# Altium PCB Copy+of+WX0.011.780PCB-4.2.pcbdoc (part 2 of 2)
Units mil, origin at the board's own origin, x right, y up, seen from the top; angles counter-clockwise.
Board outline 3138.9 x 10799.03 mil, 2 copper layers (Top Layer, Bottom Layer); 109 components, 87 nets, 467 pads, 386 vias.
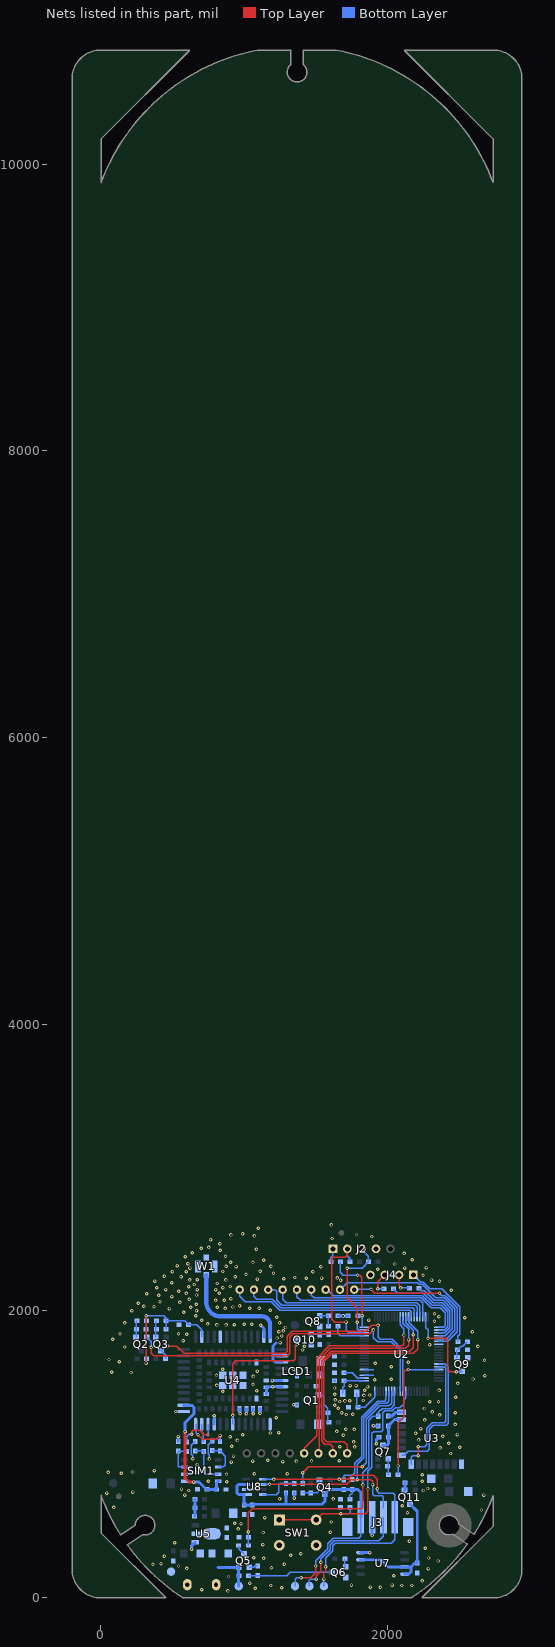
[diagram p2: the nets of this part, all layers, seen from the top]

## Via types
v1: diameter 24, hole 12, Top Layer to Bottom Layer, tented both sides, 386 vias

## Nets (pads, with @x,y where several pads share a name; then routed paths per layer and width w, separated by ;. In a path a pad name is that pad's centre, name@x,y a point inside that pad or via, vN(x,y) a via of type N, cw(c..) or ccw(c..) an arc to the next point about the centre after c; other vN are vias at no path point) (continued)
GND: C1.2 C2.2 C3.2 C4.2 C5.1 C6.2 C9.2 C10.1 C11.1 C12.2 C13.2 C14.1 C15.2 C16.2 C17.2 C18.2 C19.2 C20.1 C21.2 C22.1 C23.1 C24.2 C25.1 C26.2 C27.2 C28.2 C29.2 C30.1 C31.2 C33.2 C34.1 C43.2 C44.2 C45.2 GND.1 J1.1 J2.4 J3.2 J3.5 J3.6 J4.4 Q6.2 Q8.2 Q9.2 Q10.2 R26.1 R28.2 R31.1 R35.1 R41.2 R80.1 SIM1.1 SW1.2 U2.63 U2.65 U3.1 U3.15 U4.1 U4.10 U4.27 U4.34 U4.36 U4.37 U4.40 U4.41 U4.45 U4.46 U4.47 U4.48 U4.70 U4.71 U4.72 U4.73 U4.88 U4.89 U4.90 U4.91 U4.92 U4.93 U4.94 U4.95 U5.1 U7.4 U8.2 W1.2 | length 2040.1
  Bottom Layer w10: v1(644,968) 644,988.77 631.96,1000.81 631.96,1062.78 C10.1@659.46,1090.28 ; v1(759,967) 759,993.35 749.54,1002.81 749.54,1061.7 748,1063.24 C20.1@777.04,1092.28 ; U2.63@1839.16,1551.36 1903.64,1551.36 ; U2.65@1839.16,1590.73 1906.27,1590.73
  Bottom Layer w20: v1(541,1123) C11.1@541.04,1090.28 C11.1@541.04,1090.28 ; v1(635,338) 635,361.12 U5.1@659.83,385.94 ; C6.2@656,568 657.49,569.49 C2.2@657.49,686 ; v1(792,1269) 792.21,1268.79 U4.10@792.21,1209.31 ; U4.48@969.38,1317.58 972,1314.96 v1(972,1283) ; U8.2@1012.89,754 1061,754 v1(1071,764) ; U4.47@1016.62,1317.58 1016.62,1283.38 v1(1017,1283) ; U4.46@1063.87,1317.58 1063.87,1282.13 v1(1064,1282) ; v1(1111.11,1285.89) U4.45@1111.11,1317.58 ; v1(1116,1900) 1138.67,1877.33 U4.34@1138.67,1819.55 ; U4.72@1156.39,1419.94 U4.71@1156.39,1467.19 1160.32,1471.13 U4.41@1264.65,1471.13 ; v1(1197,1514) 1197.43,1514.43 U4.40@1264.65,1514.43 ; 1224,1777 1202.38,1755.38 1202.38,1693.46 ; U4.37@1264.65,1644.35 1215.65,1644.35 1202.38,1657.62 1202.38,1693.46 ; U4.36@1264.65,1687.66 1208.18,1687.66 1202.38,1693.46 ; v1(1346,1345) C33.2@1370,1345 ; v1(1346,1594) 1370,1570 C17.2@1370,1547 ; v1(1351,694) R28.2@1351,729 ; C18.2@1525.8,1552 C18.2@1535.39,1561.59 ; C14.1@1631.51,1512 C14.1@1632,1512.49 ; R31.1@1655,1965 C23.1@1727,1965 ; U7.4@1814,314 v1(1877,314) ; v1(1894.12,433.12) J3.2@1894.12,560 ; v1(1903,1198) C34.1@1937,1198 ; v1(1923,1074) 1923,1100.51 C27.2@1941.49,1119 ; C28.2@2007,1265.51 2031.51,1265.51 2058.6,1292.6 U3.15@2100.07,1292.6
  other v1: 888,46 706,54 1079,64 1263,68 1952,72 1881,73 1187,84 2100,84 2170,84 1750,87 2033,87 1040,101 2243,116 892,147 2044,152 2287,202 600,203 1192,207 543,220 365,233 1282,233 421,235 2354,255 1137,273 2288,276 1068,278 445,289 1327,296 1397,305 2265,344 1132,368 517,383 2154,392 1366,448 1133,454 1603,455 960,479 979,514 935,519 1608,527 1145,558 2141,591 2657,611 92,629 2105,640 2214,680 1622,688 1248,690 587,715 2674,715 42,729 225,736 615,747 2252,747 2328,755 564,757 2281,761 879,807 750,812 2244,812 2243,857 878,859 1073,863 1303,864 144,867 52,873 673,874 225,876 373,886 675,928 912,945 1271,949 1366,950 1061,952 1471,953 1664,955 1165,957 927,987 2443,1005 2368,1044 2505,1048 1773,1051 1668,1052 915,1055 2429,1077 1765,1086 954,1096 2218,1100 903,1121 2386,1124 1694,1133 992,1135 2489,1137 2197,1146 1183,1148 1242,1150 1647,1159 1770,1173 1711,1175 2234,1179 2473,1208 2262,1239 1225,1255 2365,1274 1714,1277 1760,1279 1681,1289 2474,1290 2313,1295 524,1298 2259,1319 1658,1321 1634,1341 2296,1367 2357,1367 1669,1368 1704,1372 1737,1373 1832,1375 1637,1379 2478,1397 1837,1410 1877,1413 1634,1419 852,1439 1089,1443 2361,1445 1842,1446 1632,1462 1200,1471.13 1862,1472 1741,1479 1782,1479 811,1480 1063,1488 2492,1494 1912,1520 2027,1524 2598,1525 1066,1543 2681,1547 808,1550 212,1570 78,1572 1092,1580 852,1592 2027,1611 1915,1635 2146,1642 129,1645 2678,1656 58,1661 1410,1727 168,1748 1420,1754 2632,1754 2295,1763 1252,1779 575,1791 85,1803 1231,1811 1264,1825 600,1838 135,1841 543,1841 1244,1855 2594,1855 1273,1860 1289,1884 811,1902 875,1902 933,1903 1055,1906 1002,1907 747,1909 169,1916 1248,1917 2329,1927 705,1934 1871,1936 2540,1953 1229,1956 2360,1959 1691,1965 664,1967 2329,1980 580,1991 218,2001 669,2001 1183,2004 480,2016 869,2017 1040,2019 1105,2019 628,2026 813,2026 923,2027 372,2029 302,2033 969,2036 667,2046 262,2053 552,2059 414,2064 803,2073 863,2075 619,2080 909,2084 496,2100 406,2110 669,2111 321,2119 597,2122 827,2123 545,2138 2447,2144 455,2149 674,2149 802,2149 392,2162 853,2162 615,2168 904,2170 653,2184 813,2191 496,2196 2364,2206 377,2208 1674,2213 2309,2215 622,2216 874,2216 674,2217 1093,2222 1277,2224 1434,2227 1541,2229 1651,2230 1354,2233 561,2238 938,2238 445,2241 2249,2248 1014,2256 1206,2263 597,2273 1481,2273 501,2274 851,2275 1112,2276 1934,2291 623,2299 2121,2299 2273,2302 1537,2308 945,2309 1188,2311 875,2312 535,2316 2053,2327 609,2329 1063,2338 908,2340 1137,2354 2174,2356 590,2378 871,2382 2118,2401 639,2406 834,2423 1087,2430 701,2438 755,2443 832,2468 767,2497 1615,2505 1892,2519 1073,2523 909,2530 1785,2533 990,2539 1099,2576 1610,2600
GPRS_RST: R30.1 U2.77 | length 240.6
  Bottom Layer w10: R30.1@1655,1894 1655,1845 1673.05,1826.95 U2.77@1839.16,1826.95
LED_CON: U2.27
LVDIN: C34.2 R24.1 R26.2 U2.53 | length 2004.7
  Top Layer w10: v1(1030,460) 1030,592 1056,618 1823,618 1830,625 v1(1830,786)
  Bottom Layer w10: R24.1@1030,363 v1(1030,460) ; v1(1830,786) 1830,871.75 1871,912.75 1871,1236 1900,1265 C34.2@1937,1265 1937,1293 1963,1319 2023,1319 2049,1345 2049,1438.37 U2.53@2049.79,1439.16
MCU_RXD2: Q3.3 R8.1 U2.50 | length 2341.3
  Top Layer w10: v1(468,1755) 532,1755 582,1705 1288,1705 1301,1718 1301,1823 1336,1858 1848.75,1858 1889.75,1899 1934.79,1899 v1(1935.41,1898.38)
  Bottom Layer w10: R8.1@453,1666 453,1689.76 Q3.3@421,1721.76 454.24,1755 v1(468,1755) ; v1(1935.41,1898.38) 1935.41,1814.59 1949.41,1800.59 2035.15,1800.59 2108.84,1726.9 U2.50@2108.84,1439.16
MCU_TXD2: Q2.2 U2.51 | length 2386.7
  Top Layer w10: v1(352,1745) 352,1703 369,1686 1303,1686 1321,1704 1321,1817 1345,1841 1877,1841 v1(1903,1867)
  Bottom Layer w10: Q2.2@321.4,1816.24 352,1785.65 v1(352,1745) ; v1(1903,1867) 1903,1812 1932,1783 2028.7,1783 2089.16,1722.55 U2.51@2089.16,1439.16
NetC1_1: C1.1 D1.2 U5.2
NetC7_2: C7.2 Q2.1 R5.2 | length 115.9
  Bottom Layer w10: Q2.1@246.6,1816.24 246.6,1923.8 C7.2@252.49,1929.69
NetC8_2: C8.2 Q3.1 R6.2 | length 116.2
  Bottom Layer w10: Q3.1@383.6,1816.24 383.6,1924.11 C8.2@389.49,1930
NetC24_1: C24.1 U2.62 | length 157.1
  Bottom Layer w10: C24.1@1697.49,1569 1757,1569 1794.32,1531.68 U2.62@1839.16,1531.68
NetC27_1: C27.1 C28.1 Q7.3 U3.14 | length 281
  Bottom Layer w20: Q7.3@1970,1063 2000,1063 2008.49,1071.49 C27.1@2008.49,1119 2008.49,1197.02 C28.1@2007,1198.51 2051.09,1242.6 U3.14@2100.07,1242.6
NetC29_1: C29.1 Q11.3 U7.3 U7.7 U7.8 | length 945.8
  Bottom Layer w20: U7.3@1814,264 1955,264 2005,214 U7.7@2121.09,214 2165,214 ; U7.8@2121.09,164 2150,164 2165,179 2165,214 ; Q11.3@2158,652.76 2209,601.76 C29.1@2209,239.49 2190.49,239.49 2165,214
NetJ2_1: J2.1 R4.2 | length 101.2
  Bottom Layer w10: R4.2@1606,2344 1606,2370 1620,2384 1620,2438 J2.1@1621,2439
NetJ4_1: J4.1 R32.1 | length 664.1
  Bottom Layer w10: J4.1@2182,2251 2231.5,2201.5 2250.51,2201.5 2297.01,2155 2380.25,2155 2505,2030.25 2505,1837 2492,1824 R32.1@2492,1786
NetJ4_2: J4.2 R33.1 | length 156
  Top Layer w10: J4.2@2082,2251 2082,2172 v1(2094,2160)
  Bottom Layer w10: v1(2094,2160) R33.1@2154,2160
NetJ4_3: J4.3 R34.1 | length 157.9
  Top Layer w10: v1(1934,2155) 1934,2203 J4.3@1982,2251
  Bottom Layer w10: v1(1934,2155) R34.1@1976,2155
NetQ1_1: Q1.1 R3.1 R9.2 | length 245.5
  Bottom Layer w10: Q1.1@1520.24,1415.4 1545.6,1415.4 1555,1406 1555,1350 1580,1325 1586,1319 R3.1@1586,1288 ; R3.1@1580,1294 R3.1@1586,1288 ; R9.2@1592,1223 1586,1229 R3.1@1586,1288
NetQ4_1: Q4.1 R17.1 R29.2 | length 194.1
  Bottom Layer w10: R29.2@1409,730 1510,730 1526.6,746.6 Q4.1@1526.6,816.24
NetQ5_1: Q5.1 R25.2 | length 61.8
  Bottom Layer w10: Q5.1@1037.4,210.76 1067.76,210.76 1078,221 R25.2@1095,221
NetQ5_3: Q5.3 R24.2 | length 73.1
  Bottom Layer w10: R24.2@963,363 963,342.24 Q5.3@1000,305.24
NetQ6_1: Q6.1 R27.2 | length 59.2
  Bottom Layer w10: R27.2@1703.35,271 1703.35,220.65 Q6.1@1709.59,214.4
NetQ6_3: Q6.3 R23.1 R25.1 | length 593.5
  Bottom Layer w10: R23.1@1032,152 1297,152 1322,177 Q6.3@1615.1,177
NetQ7_1: Q7.1 R16.1 R22.2 | length 111.2
  Bottom Layer w10: Q7.1@2007.4,968.51 2007.4,859.6 R22.2@2009,858
NetQ8_1: Q8.1 R30.2 R31.2 | length 130.3
  Bottom Layer w10: Q8.1@1529.24,1966.4 1586.6,1966.4 R31.2@1588,1965 R30.2@1588,1894
NetQ9_1: Q9.1 R32.2 R35.2 | length 149.2
  Bottom Layer w10: Q9.1@2486,1673.49 2486,1724 R35.2@2491,1729 2516,1754 2527,1754 R32.2@2559,1786
NetQ10_1: Q10.1 R40.2 R41.1 | length 121.3
  Bottom Layer w10: Q10.1@1470,1837.8 1470.8,1837 R40.2@1591,1837
NetQ11_1: Q11.1 R1.2 | length 56.2
  Bottom Layer w20: Q11.1@2120.6,747.24 2124,750.65 R1.2@2124,802
NetR18_1: R18.1 R28.1 U8.8 | length 281.9
  Bottom Layer w10: U8.8@1131,718.57 1226.57,718.57 1243,735 1243,786 1253,796 R28.1@1351,796
NetU4_35: U4.35 W1.1 | length 806.7
  Bottom Layer w30: W1.1@736.93,2248.98 736.93,2062 ccw(c836.93,2062) 836.93,1962 1124,1962 cw(c1124,1904.02) 1181.98,1904.02 U4.35@1181.98,1819.55
PWRKEY: Q10.3 U4.7 | length 1009.7
  Top Layer w10: v1(922.13,1270.87) 922.13,1632.13 942,1652 1348.04,1652 1359,1662.96 1359,1752 v1(1370,1763)
  Bottom Layer w10: U4.7@922.13,1209.31 v1@922.13,1263.87 ; v1(1370,1763) 1370,1794.89 Q10.3@1375.51,1800.4
RST: C23.2 R4.1 U2.80 | length 629.7
  Top Layer w10: v1(1792,2249) 1809,2249 1823,2235 1823,2058 1835.31,2045.68 1824,2034.37 v1(1824,1967)
  Bottom Layer w10: R4.1@1673,2344 1673,2270 1694,2249 v1(1792,2249) ; C23.2@1794,1965 1796,1967 v1(1824,1967) U2.80@1824,1889.85 ; U2.80@1835.31,1889.85 U2.80@1839.16,1886.01
RXD1: U2.34 U3.9 | length 963.1
  Bottom Layer w10: U3.9@2100.07,992.6 2118.6,992.6 2147,1021 2279,1021 2292,1034 2292,1173 2321,1202 2410,1202 2424,1216 2424,1606.04 2399.94,1630.1 U2.34@2358.84,1630.1
RXD4: R34.2 U2.23 | length 669.7
  Bottom Layer w10: R34.2@2043,2155 2074,2124 2252.08,2124 2320.08,2056 2383.08,2056 2437,2002.08 2437,1882.92 2400.72,1846.64 U2.23@2358.84,1846.64
SEG0: LCD1.5 U2.10 | length 1550.7
  Top Layer w10: LCD1.5@1419.74,1005.89 1419.74,1040.74 1507,1128 1507,1667.12 1595.88,1756 2105,1756 2116,1767 v1(2116,1832)
  Bottom Layer w10: U2.10@2089.16,1958.84 2089.16,1901.84 2116,1875 v1(2116,1832)
SEG1: LCD1.6 U2.11 | length 1535.2
  Top Layer w10: LCD1.6@1519.74,1005.89 1524,1010.15 1524,1660.08 1601.92,1738 2124,1738 2148,1762 v1(2148,1800)
  Bottom Layer w10: U2.11@2108.84,1958.84 2108.84,1913.16 2148,1874 v1(2148,1800)
SEG2: LCD1.7 U2.12 | length 1614.9
  Top Layer w10: LCD1.7@1619.74,1005.89 1619.74,1052.26 1601,1071 1565,1071 1541,1095 1541,1653.04 1607.96,1720 2158,1720 2180,1742 v1(2180,1834)
  Bottom Layer w10: U2.12@2128.53,1958.84 2128.53,1917.51 2180,1866.04 v1(2180,1834)
SEG3: LCD1.8 U2.13 | length 1718.4
  Top Layer w10: LCD1.8@1719.74,1005.89 1719.74,1066 1697.74,1088 1579,1088 1558,1109 1558,1646 1615,1703 2181,1703 2212,1734 v1(2212,1800.03)
  Bottom Layer w10: U2.13@2148.21,1958.84 2148.21,1921.87 2212,1858.08 v1(2212,1800.03)
SEG4: LCD1.9 U2.26 | length 1099.2
  Top Layer w10: v1(1886,2150) 1913,2123 v1(2364,2123)
  Bottom Layer w10: LCD1.9@1769.74,2148.69 1771.43,2147 1774.43,2150 v1(1886,2150) ; U2.26@2358.84,1787.58 2422.58,1787.58 2488,1853 2488,2023.21 2404.21,2107 2380,2107 v1(2364,2123)
SEG5: LCD1.10 U2.25 | length 1184.8
  Bottom Layer w10: LCD1.10@1669.74,2148.69 1719.06,2198 2208.5,2198 2222,2184.5 2243.47,2184.5 2337.97,2090 2397.17,2090 2471,2016.17 2471,1864 2414.27,1807.27 U2.25@2358.84,1807.27
SEG6: LCD1.11 U2.22 | length 1090.2
  Bottom Layer w10: LCD1.11@1569.74,2148.69 1582.31,2148.69 1624,2107 2245.04,2107 2313.04,2039 2376.04,2039 2420,1995.04 2420,1889.96 2396.04,1866 2359.17,1866 U2.22@2358.84,1866.32
SEG7: LCD1.12 U2.21 | length 1162.6
  Bottom Layer w10: LCD1.12@1469.74,2148.69 1469.74,2109.26 1489,2090 2238,2090 2306,2022 2369,2022 2403,1988 2403,1897 2392.01,1886.01 U2.21@2358.84,1886.01
SEG8: LCD1.13 U2.18 | length 1041.6
  Bottom Layer w10: LCD1.13@1369.74,2148.69 1369.74,2098.26 1395,2073 2229,2073 2246.64,2055.36 U2.18@2246.64,1958.84
SEG9: LCD1.14 U2.17 | length 1120
  Bottom Layer w10: LCD1.14@1269.74,2148.69 1269.74,2082.26 1296,2056 2207,2056 2226.95,2036.05 U2.17@2226.95,1958.84
SEG10: LCD1.15 U2.16 | length 1192.2
  Bottom Layer w10: LCD1.15@1169.74,2148.69 1216.31,2148.69 1228.22,2136.78 1228.22,2073.78 1263,2039 2194,2039 2207.27,2025.73 U2.16@2207.27,1958.84
SEG11: LCD1.16 U2.15 | length 1255.1
  Bottom Layer w10: LCD1.16@1069.74,2148.69 1069.74,2101.26 1089,2082 1195.96,2082 1255.96,2022 2177,2022 2187.58,2011.42 U2.15@2187.58,1958.84
SEG12: LCD1.17 U2.14 | length 1325.8
  Bottom Layer w10: LCD1.17@969.74,2148.69 969.74,2101.26 1008,2063 1190.92,2063 1248.92,2005 2158,2005 2167.9,1995.1 U2.14@2167.9,1958.84
SET: Q9.3 U2.19 | length 620.2
  Top Layer w10: v1(2284,1809) 2409,1809 2423,1795 2423,1592 2439,1576 v1(2480,1576)
  Bottom Layer w10: U2.19@2266.32,1958.84 2268.1,1957.06 2268.1,1882.9 2284,1867 v1(2284,1809) ; v1@2473,1576 v1(2480,1576) 2520.4,1576 Q9.3@2523.4,1579
SIM_CLK: C20.2 R11.2 SIM1.6 | length 225.4
  Bottom Layer w10: C20.2@774.04,1025.28 830.11,1025.28 R11.2@832.75,1022.65 868,987.39 868,924 855,911 SIM1.6@821,911
SIM_DATA: C11.2 R13.2 SIM1.2 SIM1.3 | length 338.2
  Bottom Layer w10: SIM1.2@584.78,861 618,861 626,869 626,905 620,911 SIM1.3@584.78,911 546,911 541.04,915.96 C11.2@541.04,1023.28 544.68,1019.65 R13.2@600.33,1019.65
SIM_RST: C10.2 R12.2 SIM1.7 | length 314.2
  Bottom Layer w10: C10.2@659.46,1023.28 715.53,1023.28 R12.2@718.17,1020.65 718.17,874.83 732,861 SIM1.7@821,861
SIM_VDD: C9.1 C12.1 SIM1.8 U4.14 | length 910.1
  Top Layer w20: v1(589,1156) 589,834 617,806 v1(649,806)
  Bottom Layer w20: U4.14@579.61,1341.2 635.8,1341.2 651,1326 651,1282 589,1220 v1(589,1156) ; v1(649,806) 687,806 738,755 C9.1@809,755 ; C9.1@809,754 C9.1@809,755 ; SIM1.8@821,811 809,799 C9.1@809,755
SWCLK: J2.2 R10.1 U2.78 | length 997.2
  Top Layer w10: v1(1712,1922) 1632,1922 1612,1942 1612,2365 1621,2374 1707,2374 1721,2388 J2.2@1721,2439
  Bottom Layer w10: v1(1712,1922) 1712,1864 1729.36,1846.64 U2.78@1839.16,1846.64 ; J2.2@1721,2439 1721,2385 1738,2368 R10.1@1738,2342
SWIO: J2.3 R15.2 U2.79 | length 788.3
  Top Layer w10: v1(1719,2298) 1719,2091 1790,2020 v1(1790,1921)
  Bottom Layer w10: v1(1719,2298) 1824,2298 R15.2@1868,2342 1868,2381 1821,2428 J2.3@1821,2439 ; v1(1790,1921) 1790,1876 1799.68,1866.32 U2.79@1839.16,1866.32
SWITCH: C13.1 SW1.1 U2.49 | length 1775.1
  Top Layer w10: SW1.1@1247.23,541.75 SW1.1@1503.13,541.75 1546.38,585 v1(1676,585) 1849,585 1865,601 v1(1865,758)
  Bottom Layer w10: v1(1676,585) 1734,585 1740.49,591.49 C13.1@1740.49,629 ; v1(1865,758) 1865,882.7 1891,908.7 1891,1145 1904,1158 1959,1158 1969,1168 1969,1288.6 1982.4,1302 2034,1302 2056.7,1324.7 2087.95,1324.7 2113,1349.75 2113,1378.25 2128.53,1393.78 U2.49@2128.53,1439.16
TXD1: U2.35 U3.8 | length 921.4
  Top Layer w10: v1@2213,1053 2215,1051 v1(2215,989)
  Bottom Layer w10: U3.8@2167,930 2167,978 2178,989 v1(2215,989) ; v1@2213,1053 v1(2215,1053) 2260,1053 2274,1067 2274,1181 2312,1219 2396,1219 2407,1230 2407,1599 2395.58,1610.42 U2.35@2358.84,1610.42
TXD4: R33.2 U2.24 | length 542.9
  Bottom Layer w10: R33.2@2221,2157 2237,2141 2259.12,2141 2327.12,2073 2390.12,2073 2454,2009.12 2454,1875.88 2405.08,1826.95 U2.24@2358.84,1826.95
USIM_CLK: R11.1 U4.13 | length 299
  Top Layer w10: v1(679,1135.58) 710.58,1104 807,1104 v1(833,1130)
  Bottom Layer w10: U4.13@662.29,1209.31 667,1204.61 667,1147.58 v1(679,1135.58) ; R11.1@832.75,1089.65 832.75,1129.75 v1(833,1130)
USIM_DATA: R13.1 U4.11 | length 299.3
  Top Layer w10: v1(635,1139) 635,1156 646.58,1167.58 692.42,1167.58 724,1136 v1(749,1136)
  Bottom Layer w10: R13.1@600.33,1086.65 600.33,1122.08 617.25,1139 v1(635,1139) ; U4.11@748.91,1209.31 748.91,1136.09 v1(749,1136)
USIM_RST: R12.1 U4.12 | length 126.9
  Bottom Layer w10: U4.12@705.6,1209.31 705.6,1154.24 717,1142.84 717,1088.81 R12.1@718.17,1087.65
VDD_BLE_CTL: R22.1 U2.36 | length 984.6
  Top Layer w10: v1(2075,918) 2075,1218 2114,1257 2114,1574 2131,1591 v1(2147,1591)
  Bottom Layer w10: v1(2075,918) 2076,917 R22.1@2076,858 ; v1(2147,1591) 2147.27,1590.73 U2.36@2358.84,1590.73
VDD_EXT: C7.1 C8.1 C19.1 R5.1 R6.1 R7.2 U4.24 | length 1005.1
  Top Layer w10: v1(317,1636) v1(317,1966)
  Bottom Layer w10: v1(317,1636) 317,1661 R7.2@321,1665 ; R5.1@317,1871 v1(317,1966) 439,1966 456.49,1948.51 C8.1@456.49,1930 ; R6.1@456,1871.31 456,1929.51 C8.1@456.49,1930 ; U4.24@705.6,1819.55 705.6,1869.4 671,1904 C19.1@614.49,1904 586.99,1931.5 457.99,1931.5 C8.1@456.49,1930
VIN: D1.1 D2.1 J1.2 Q5.2 R23.2 VIN.1 | length 274.8
  Bottom Layer w20: 818.76,210.76 Q5.2@962.6,210.76 962.6,80.4 VIN.1@963,80
WY_CTR: R29.1 U2.54 | length 1154.9
  Top Layer w10: v1(1410,871) 1451,912 v1(1825,912)
  Bottom Layer w10: R29.1@1409,797 1410,798 v1(1410,871) ; v1(1825,912) 1854,941 1854,1243.04 1947.96,1337 2010,1337 2030.1,1357.1 U2.54@2030.1,1439.16
WY_SCL: J3.4 R20.1 SCL.1 U2.56 U8.5 | length 2943.7
  Top Layer w10: v1(1208,824) v1(1664,824) 1727.96,824 1756.96,853 1903,853 1931,825 v1(1931,759) ; v1(1558,129) 1558,174 1569,185 v1(1569,215)
  Bottom Layer w10: U8.5@1131,824.87 1207.13,824.87 v1(1208,824) ; SCL.1@1558,80 v1(1558,129) ; v1(1569,215) 1569,277 1619,327 1619,361.92 1636.08,379 2026,379 2051.61,404.61 J3.4@2051.61,560 2051.61,717.39 2041,728 1943,728 1931,740 v1(1931,759) ; v1(1664,824) 1694,824 R20.1@1697,821 1697,848 1704,855 1758,855 1774,871 1774,936.04 1820,982.04 1820,1257.12 1933.88,1371 1983,1371 1990.73,1378.73 U2.56@1990.73,1439.16
WY_SDA: J3.3 R19.1 SDA.1 U2.55 U8.6 | length 2711.7
  Top Layer w10: v1(1178,790) 1718,790 1749,821 v1(1791,821) 1886,821 1897,810 v1(1897,788.23) ; v1(1504,129) 1504,151 1537,184 v1(1537,246)
  Bottom Layer w10: U8.6@1131,789.43 1177.43,789.43 v1(1178,790) ; SDA.1@1457,80 1457,119 1467,129 v1(1504,129) ; v1(1537,246) 1537,269.04 1602,334.04 1602,368.96 1629.04,396 1940,396 1972.87,428.87 J3.3@1972.87,560 ; R19.1@1754,822 1755,823 1757,821 v1(1791,821) 1791,929 1837,975 1837,1250.08 1940.92,1354 1995,1354 2010.42,1369.42 U2.55@2010.42,1439.16 ; v1(1897,788.23) 1897,722 1908,711 1963,711 1972.87,701.13 J3.3@1972.87,622
WY_VCC: C31.1 C43.1 C44.1 J3.1 Q4.3 R18.2 R19.2 R20.2 U8.1 U8.3 WY_V.1 | length 2287.1
  Top Layer w10: v1(1398,139) 1467,139 1500.77,172.77 v1(1500.77,220)
  Bottom Layer w10: WY_V.1@1356,80 1356,126 1369,139 v1(1398,139) ; v1(1500.77,220) 1500.77,256.86 1585,341.08 1585,376 1622,413 1802,413 1815.38,426.38 J3.1@1815.38,560 ; C31.1@1739.49,686 1739.49,712.49 1755,728 1755,754 R19.2@1754,755
  Bottom Layer w20: U8.3@1012.89,789.43 961.43,789.43 952,780 952,728 961.43,718.57 1001.57,718.57 1001,718 C43.1@1001,646 1058,646 C44.1@1059,645 ; C44.1@1065,651 1544,651 1564,671 Q4.3@1564,721.76 1597.24,755 R19.2@1754,755 1794,755 1815.38,733.62 J3.1@1815.38,560 ; 1293,659 R18.2@1293,730
XT1: C14.2 U2.61 Y1.1 | length 231.6
  Bottom Layer w10: Y1.1@1689,1425 1689,1466 1698.51,1475.51 C14.2@1698.51,1512 U2.61@1839.16,1511.99
XT2: C5.2 U2.60 Y1.2 | length 288.4
  Bottom Layer w10: Y1.2@1783.43,1425 Y1.2@1785.43,1423 ; Y1.2@1787.43,1425 1787.43,1337.57 C5.2@1797,1328 1841,1328 1911.99,1398.99 U2.60@1911.99,1439.16
pads on no net: MARK1.0 MARK1.1 MARK2.0 MARK2.1 SIM1.4 SIM1.5 U2.1 U2.2 U2.3 U2.4 U2.5 U2.20 U2.28 U2.37 U2.38 U2.39 U2.40 U2.41 U2.42 U2.43 U2.44 U2.45 U2.46 U2.47 U2.48 U2.58 U2.59 U2.68 U2.69 U2.70 U2.71 U2.72 U2.73 U2.74 U2.75 U3.2 U3.3 U3.4 U3.5 U3.6 U3.7 U3.10 U3.11 U3.12 U3.13 U4.2 U4.3 U4.4 U4.5 U4.6 U4.8 U4.9 U4.16 U4.19 U4.20 U4.21 U4.22 U4.23 U4.25 U4.26 U4.28 U4.29 U4.30 U4.31 U4.32 U4.33 U4.38 U4.39 U4.44 U4.49 U4.50 U4.51 U4.52 U4.53 U4.54 U4.55 U4.56 U4.57 U4.58 U4.59 U4.60 U4.61 U4.62 U4.63 U4.64 U4.65 U4.66 U4.67 U4.68 U4.69 U4.74 U4.75 U4.76 U4.77 U4.78 U4.79 U4.80 U4.81 U4.82 U4.83 U4.84 U4.85 U4.86 U4.87 U4.96 U4.97 U4.98 U4.99 U4.100 U4.101 U4.102 U4.103 U4.104 U4.105 U4.106 U4.107 U4.108 U4.109 U8.4 U8.7

## Polygon pours and split planes (outlines as drawn)
GND on Bottom Layer "GND_L02_P1006" (solid, remove dead copper, pour order 1006): 1096.77,2651.25 2205.75,2651.25 2740,2117 2740,409 2331,0 450,0 0,450 0,2130 522,2652
GND on Top Layer "GND_L01_P1008" (solid, remove dead copper, pour order 1008): 1098.6,2651.25 2207.58,2651.25 2741.83,2117 2741.83,409 2332.83,0 451.83,0 1.83,450 1.83,2130 523.83,2652

## Keep-outs
Keep-Out Layer:
  circle w5: c976.64,10564.02 r59.06
  circle w5: c976.64,7849.77 r59.06
  circle w5: c976.64,5135.51 r59.06
  circle w5: c976.64,2421.26 r59.06
  circle w5: c976.64,2421.26 r59.06
  lines w5: 0,450 450,0 0,0 ; 0,739.84 0,0 ; 0,925.04 0,10794 ; 0,10177.75 616.25,10794 0,10794 ; 1094.53,2651.25 1320.86,2651.25 ; 1096.77,2651.25 ccw(c1370.34,1220.47) 0,1714.57 ; 1415.35,2651.25 1641.68,2651.25 ; 1643.91,2714.25 2165.58,2714.25 ; 1643.91,5428.5 2165.58,5428.5 ; 1643.91,8142.76 2165.58,8142.76 ; 2739.58,494.42 2245.17,0 2740.17,0 ; 2740,1710 2740,10794 ; 2740,10177.75 2123.75,10794 2740,10794 ; 2740.17,725.53 2740.17,0 ; 2936.85,10597.15 ccw(c2740,10597.15) 2740,10794 ; 2937.02,10597.15 2937.02,196.85 cw(c2740.17,196.85) 2740.17,0 ; 0,0 cw(c0,196.85) -196.85,196.85 -196.85,10597.15 cw(c0,10597.15) 0,10794 ; 0,726.38 ccw(c1370.34,1220.47) 140.05,440.5 238.73,507.05 cw(c309.56,504.97) 292.19,436.27 189.74,367.16 ccw(c1370.34,1220.47) 575.1,0 2165.58,0 ccw(c1370.34,1220.47) 2554.39,371.96 2455.72,438.51 cw(c2431.12,504.97) 2501.32,514.6 2603.78,445.5 ccw(c1370.34,1220.47) 2740.68,726.38 ; 0,726.38 0,925.2 ; 0,726.38 0,925.2 ; 0,925.2 425.46,925.2 425.46,1515.75 0,1515.75 ; 0,1515.75 0,1714.57 ; 0,1515.75 0,1714.57 ; 1323.09,2552.82 ccw(c1370.34,2500) 1417.58,2552.82 ; 1323.09,2552.82 ccw(c1370.34,2500) 1417.58,2552.82 ; 1323.09,2552.82 1323.09,2651.25 1323.09,2552.82 ; 1417.58,2552.82 1417.58,2651.25 1417.58,2552.82 ; 2165.58,2714.25 ccw(c1370.34,3934.73) 2554.39,3086.21 2455.72,3152.76 cw(c2431.12,3219.22) 2501.32,3228.85 2603.78,3159.75 ccw(c1370.34,3934.73) 2740.68,3440.63 2740.68,4428.82 ccw(c1370.34,3934.73) 1643.91,5365.5 1417.58,5365.5 1417.58,5267.07 cw(c1370.34,5214.25) 1323.09,5267.07 1323.09,5365.5 1096.77,5365.5 ccw(c1370.34,3934.73) 0,4428.82 0,4230 425.46,4230 425.46,3639.45 0,3639.45 0,3440.63 ccw(c1370.34,3934.73) 140.05,3154.75 238.73,3221.31 cw(c309.56,3219.22) 292.19,3150.52 189.74,3081.41 ccw(c1370.34,3934.73) 575.1,2714.25 2165.58,2714.25 ; 2165.58,5428.5 ccw(c1370.34,6648.98) 2554.39,5800.46 2455.72,5867.02 cw(c2431.12,5933.47) 2501.32,5943.1 2603.78,5874 ccw(c1370.34,6648.98) 2740.68,6154.88 2740.68,7143.07 ccw(c1370.34,6648.98) 1643.91,8079.75 1417.58,8079.75 1417.58,7981.33 cw(c1370.34,7928.51) 1323.09,7981.33 1323.09,8079.75 1096.77,8079.75 ccw(c1370.34,6648.98) 0,7143.07 0,6944.25 425.46,6944.25 425.46,6353.7 0,6353.7 0,6154.88 ccw(c1370.34,6648.98) 140.05,5869 238.73,5935.56 cw(c309.56,5933.47) 292.19,5864.77 189.74,5795.67 ccw(c1370.34,6648.98) 575.1,5428.5 2165.58,5428.5 ; 2165.58,8142.76 ccw(c1370.34,9363.23) 2554.39,8514.71 2455.72,8581.27 cw(c2431.12,8647.73) 2501.32,8657.36 2603.78,8588.25 ccw(c1370.34,9363.23) 2740.68,8869.13 2740.68,9857.32 ccw(c1370.34,9363.23) 1643.91,10794 1417.58,10794 1417.58,10695.58 cw(c1370.34,10642.76) 1323.09,10695.58 1323.09,10794 1096.77,10794 ccw(c1370.34,9363.23) 0,9857.32 0,9658.51 425.46,9658.51 425.46,9067.95 0,9067.95 0,8869.13 ccw(c1370.34,9363.23) 140.05,8583.26 238.73,8649.81 cw(c309.56,8647.73) 292.19,8579.02 189.74,8509.92 ccw(c1370.34,9363.23) 575.1,8142.76 2165.58,8142.76 ; 2740.68,726.38 2740.68,1714.57 ; 2740.68,726.38 2740.68,1714.57 ; 2740.68,726.38 2740.68,1714.57 ; 2740.68,1714.57 ccw(c1370.34,1220.47) 1643.91,2651.25 cw(c1370.34,1220.47) 2740.68,1714.57

## Other copper
Top Layer:
  pour cut-out: 246.46,286.61 ccw(c314.11,492.31) 98.05,506.64
  pour cut-out: 1235.92,2669.76 ccw(c1370.34,2500) 1504.55,2669.93 1505.1,2669
  region net 3.3V: 1791,1690 1797,1684 1797,1606 1791,1600 1742,1600 1731,1611 1731,1679 1742,1690
  region net CAT.1_VIN: 506,1224 510,1228 1294,1228 1297,1231 1297,1253 1300,1256 1344,1256 1351,1249 1351,1190 1347,1186 1295,1186 564,1186 558,1180 558,1154 554,1150 513,1150 506,1157
  region net 3.3V: 502,821 505,818 505,786 501,782 478,782 474,786 474,818 477,821
Bottom Layer:
  pour cut-out: 241.91,299.27 ccw(c309.56,504.97) 93.5,519.3
  pour cut-out: 1235.92,2669.76 ccw(c1370.34,2500) 1504.55,2669.93 1504.38,2669.76
  region net VIN: 667,337 667,272 686,253 741,253 775,219 775,64 790,49 825,49 841,65 841,231 804,268 804,338
  region net NetC1_1: 917,278 917,415 894,438 731,438 724,431 724,390 735,379 850,379 865,364 865,278
  region net 3.3V: 1791,1690 1797,1684 1797,1606 1791,1600 1742,1600 1731,1611 1731,1679 1742,1690
  region net EARTH: 2273,504.97 2273,673 2284,684 2396,684 2403,691 2403,829 2412,838 2445,838 2451,832 2451,790 2467,774 2467,693 2476,684 2574,684 2584,674 2584,504.97
  region net 3.3V: 634,487 701,487 713,499 808,499 831,522 831,694 816,709 712,709 706,703 706,552 689,535 640,535 634,529
  region net CAT.1_VCC: 1349,1393 1392,1393 1401,1384 1401,1361 1406,1356 1446,1356 1449,1359 1449,1446 1460,1457 1460,1512 1477,1529 1477,1580 1447,1610 1447,1682 1436,1693 1385,1693 1376,1684 1376,1604 1403,1577 1403,1513 1392,1502 1347,1502 1321,1476 1321,1374 1324,1371 1342,1371 1345,1374 1345,1389
  region net CAT.1_VIN: 1542,1263 1530,1251 1434,1251 1427,1244 1427,1170 1421,1164 1302,1164 1297,1169 1297,1253 1341,1297 1489,1297 1495,1303 1495,1361 1499,1365 1540,1365 1542,1363
  region net CAT.1_VIN: 482,1217 557,1217 560,1214 560,1155 555,1150 519,1150 515,1146 515,710 600,625 600,319 594,313 567,313 560,320 560,608 476,692 476,1211
  region net 3.3V: 1593,937 1598,932 1598,892 1592,886 1527,886 1523,890 1523,929 1531,937
  pour cut-out: 1658,1463 1811,1463 1812,1462 1812,1390 1658,1390
Multi-Layer:
  pour cut-out: 2538,792 2538,1466 2740.02,1466 2740.02,792
  pour cut-out: 2363,877 2356,870 2356,737 2347,728 2270,728 2233,691 2233,422 2341,314 2482,314 2625,457 2625,688 2608,705 2510,705 2482,733 2482,870 2475,877

## Silkscreen, mask and mechanical layers (free items; w line width, h text height)
Top Overlay:
  drawing of 154 lines, arcs and shapes, not listed
  text "R" at 1601,2337 h40
  text "C" at 1719,2337 h40
  text "I" at 1815,2337 h40
  text "G" at 1918,2337 h40
  text "V" at 2013,2337 h40
  text "V" at 2158,2295 h40
  text "T" at 2072,2292 h40
  text "G" at 1870,2291 h40
  text "R" at 1968,2290 h40
  text "按键" at 1342.26,611.75 h30
  text "WX0.011.780PCB-4.2" at 512,599 h78.74
  text "102010703-****" at 512,528 h78.74
  text "2025-9-11" at 511.93,457 h78.74
  text "WLWc1-DP4" at 646,392 h78.74
  text "V1" at 512.07,388 h78.74
  text "电源" at 419,252 h30
  text "V-" at 419,172 h30
  text "V+" at 892,105 h30
  text "JL" at 1976.26,53.75 h70
Bottom Overlay:
  lines w5: 56.89,590.55 189.26,590.55 cw(c309.56,504.97) 429.86,590.55 ; 430.86,590.55 2311.81,590.55 ; 1094.75,1850.39 2683.79,1850.39 ; 2310.81,590.55 cw(c2431.12,504.97) 2551.42,590.55 2683.79,590.55
  lines w10: 1639,1475 1639,1458 1655,1474 1732,1474 1737,1479 1737,1692
  text "压力传感器" at 2222,380 h39.37 r270
Bottom Solder:
  region: 713.5,2216 760.5,2216 760.5,2184 713.5,2184

## Text inside footprints (layer, text, board x,y; h text height)
LCD1: Top Overlay "9" at 2002.03,2083.45 h30; Top Overlay "17" at 878,2113 h30; Top Overlay "8" at 2001.27,1034.24 h30; Top Overlay "1" at 712.41,1034.24 h30